# Altium PCB POETIC_Processor_V2.PcbDoc (part 4 of 4)
Units mm, origin at the board's own origin, x right, y up, seen from the top; angles counter-clockwise.
Board outline 210 x 100 mm, 4 copper layers (Top Layer, VCC, GND, Bottom Layer), stack 1.64 mm thick; 405 components, 395 nets, 1590 pads, 394 vias.
Unrouted connection lines stored in the file: 21.
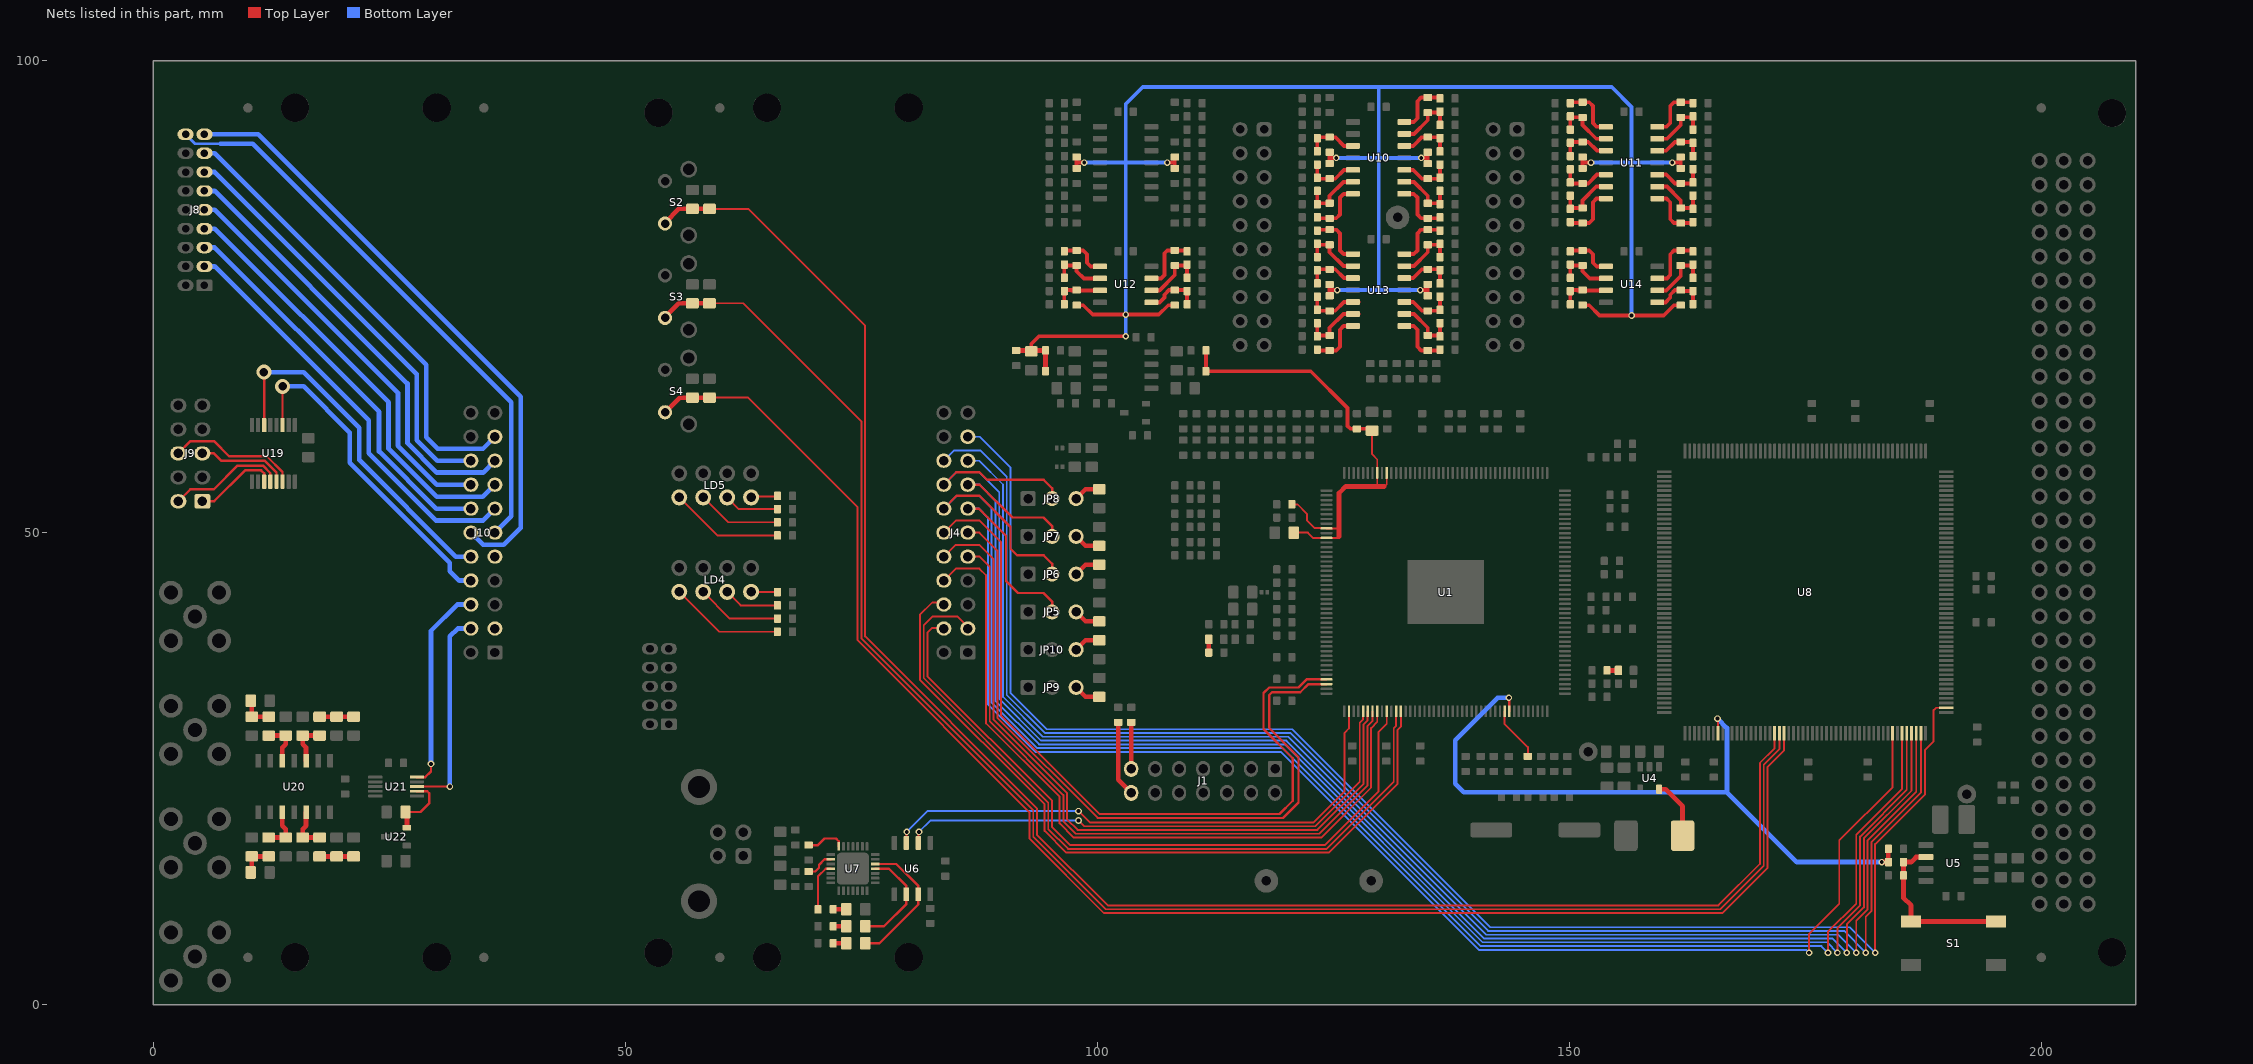
[diagram p6: the nets of this part, all layers, seen from the top]

## Via types
v1: diameter 0.7, hole 0.4, Top Layer to Bottom Layer, tented both sides, 343 vias
v2: diameter 0.7, hole 0.3, Top Layer to Bottom Layer, tented both sides, 42 vias
v3: diameter 1.6, hole 0.9, Top Layer to Bottom Layer, tented both sides, 9 vias

## Nets (pads, with @x,y where several pads share a name; then routed paths per layer and width w, separated by ;. In a path a pad name is that pad's centre, name@x,y a point inside that pad or via, vN(x,y) a via of type N, cw(c..) or ccw(c..) an arc to the next point about the centre after c; other vN are vias at no path point) (continued)
NetC101_1: C101.1 R76.1 U13.1 | length 5.9
  Top Layer w0.4: R76.1@123.3,82 123.4,82.1 C101.1@124.6,82.1 125.3,82.1 125.7,81.7 125.7,79.9 126.09,79.51 U13.1@127.075,79.51
NetC101_2: C101.2 R72.1 R74.2 U13.2 | length 6.6
  Top Layer w0.4: R74.2@123.3,79.2 R72.1@123.3,80.6 123.4,80.5 C101.2@124.6,80.5 124.6,79.7 126.06,78.24 U13.2@127.075,78.24
NetC104_2: C104.2 R77.2 R81.1 U10.3 | length 5.6
  Top Layer w0.4: C104.2@123.3,90.4 R77.2@123.3,91.8 123.4,91.9 R81.1@124.6,91.9 125.2,91.9 126.13,90.97 U10.3@127.073,90.97
NetC105_2: C105.2 R78.2 R82.1 U13.3 | length 5.6
  Top Layer w0.4: C105.2@123.3,76.4 R78.2@123.3,77.8 123.4,77.9 R82.1@124.6,77.9 125.2,77.9 126.13,76.97 U13.3@127.075,76.97
NetC106_1: C106.1 R87.1 U10.7 | length 5.9
  Top Layer w0.4: R87.1@123.3,83.4 123.4,83.3 C106.1@124.6,83.3 125.3,83.3 125.7,83.7 125.7,85.5 126.09,85.89 U10.7@127.075,85.89
NetC106_2: C106.2 R83.1 R85.2 U10.6 | length 6.6
  Top Layer w0.4: R85.2@123.3,86.2 R83.1@123.3,84.8 123.4,84.9 C106.2@124.6,84.9 124.6,85.7 126.06,87.16 U10.6@127.073,87.16
NetC107_1: C107.1 R88.1 U13.7 | length 5.9
  Top Layer w0.4: R88.1@123.3,69.4 123.4,69.3 125.3,69.3 125.7,69.7 125.7,71.5 126.09,71.89 U13.7@127.075,71.89
NetC107_2: C107.2 R84.1 R86.2 U13.6 | length 7.2
  Top Layer w0.4: R86.2@123.3,72.2 R84.1@123.3,70.8 123.4,70.9 C107.2@124.6,70.9 124.6,71.7 126.06,73.16 U13.6@127.075,73.16 U13.6@127.675,73.16
NetC110_2: C110.2 R89.2 R93.1 U10.5 | length 5.6
  Top Layer w0.4: C110.2@123.3,89 R89.2@123.3,87.6 123.4,87.5 R93.1@124.6,87.5 125.2,87.5 126.13,88.43 U10.5@127.073,88.43
NetC111_2: C111.2 R90.2 R94.1 U13.5 | length 6.2
  Top Layer w0.4: C111.2@123.3,75 R90.2@123.3,73.6 123.4,73.5 R94.1@124.6,73.5 125.2,73.5 126.13,74.43 U13.5@127.075,74.43 U13.5@127.675,74.43
NetC114_1: C114.1 R99.1 U12.7 | length 6.4
  Top Layer w0.4: U12.7@105.725,76.935 106.735,76.935 107.1,77.3 107.1,79.6 107.4,79.9 C114.1@108.2,79.9 109.4,79.9 R99.1@109.5,79.8
NetC114_2: C114.2 R95.1 R97.2 U12.6 | length 6.9
  Top Layer w0.4: U12.6@105.725,75.665 106.565,75.665 108.2,77.3 C114.2@108.2,78.3 109.4,78.3 R95.1@109.5,78.4 R97.2@109.5,77
NetC115_1: C115.1 R100.1 U10.14 | length 5.9
  Top Layer w0.4: U10.14@132.525,93.51 133.51,93.51 133.9,93.9 133.9,95.7 134.3,96.1 C115.1@135,96.1 136.2,96.1 R100.1@136.3,96
NetC115_2: C115.2 R96.1 R98.2 U10.13 | length 6.6
  Top Layer w0.4: U10.13@132.525,92.24 133.54,92.24 135,93.7 C115.2@135,94.5 136.2,94.5 R96.1@136.3,94.6 R98.2@136.3,93.2
NetC118_2: C118.2 R101.2 R105.1 U12.5 | length 5.9
  Top Layer w0.4: U12.5@105.725,74.395 106.595,74.395 107.1,74.9 107.1,75.2 107.6,75.7 R105.1@108.2,75.7 109.4,75.7 R101.2@109.5,75.6 C118.2@109.5,74.2
NetC119_2: C119.2 R102.2 R106.1 U10.12 | length 5.6
  Top Layer w0.4: U10.12@132.525,90.97 133.47,90.97 134.4,91.9 R106.1@135,91.9 136.2,91.9 R102.2@136.3,91.8 C119.2@136.3,90.4
NetC120_1: C120.1 R111.1 U12.1 | length 5
  Top Layer w0.4: R111.1@96.5,79.8 96.6,79.9 C120.1@97.8,79.9 98.5,79.9 98.9,79.5 98.9,78.6 99.295,78.205 U12.1@100.275,78.205
NetC120_2: C120.2 R107.1 R109.2 U12.2 | length 6.1
  Top Layer w0.4: R109.2@96.5,77 R107.1@96.5,78.4 96.6,78.3 C120.2@97.8,78.3 97.8,77.7 98.565,76.935 U12.2@100.275,76.935
NetC121_1: C121.1 R112.1 U10.8 | length 5.9
  Top Layer w0.4: U10.8@132.525,85.89 133.51,85.89 133.9,85.5 133.9,83.7 134.3,83.3 C121.1@135,83.3 136.2,83.3 R112.1@136.3,83.4
NetC121_2: C121.2 R108.1 R110.2 U10.9 | length 6.6
  Top Layer w0.4: U10.9@132.525,87.16 133.54,87.16 135,85.7 C121.2@135,84.9 136.2,84.9 R108.1@136.3,84.8 R110.2@136.3,86.2
NetC124_2: C124.2 R113.2 R117.1 U12.3 | length 5.8
  Top Layer w0.4: C124.2@96.5,74.2 R113.2@96.5,75.6 96.6,75.7 R117.1@97.8,75.7 R117.1@97.835,75.665 ; 97.235,75.665 R117.1@97.835,75.665 ; U12.3@100.275,75.665 R117.1@97.835,75.665
NetC125_2: C125.2 R114.2 R118.1 U10.10 | length 5.6
  Top Layer w0.4: U10.10@132.525,88.43 133.47,88.43 134.4,87.5 R118.1@135,87.5 136.2,87.5 R114.2@136.3,87.6 C125.2@136.3,89
NetC126_1: C126.1 R123.1 U11.14 | length 5.9
  Top Layer w0.4: U11.14@159.325,93.01 160.31,93.01 160.7,93.4 160.7,95.2 161.1,95.6 C126.1@161.8,95.6 163,95.6 R123.1@163.1,95.5
NetC126_2: C126.2 R119.1 R121.2 U11.13 | length 7.2
  Top Layer w0.4: U11.13@159.325,91.74 160.34,91.74 161.8,93.2 C126.2@161.8,94 ; 161.8,93.4 C126.2@161.8,94 ; R121.2@163.1,92.7 R119.1@163.1,94.1 163,94 C126.2@161.8,94
NetC127_1: C127.1 R124.1 U11.7 | length 5.8
  Top Layer w0.4: R124.1@150.1,82.9 150.2,82.8 C127.1@151.4,82.8 ; C127.1@151.5,82.8 152.1,82.8 152.5,83.2 152.5,85 152.89,85.39 U11.7@153.875,85.39
NetC127_2: C127.2 R120.1 R122.2 U11.6 | length 6.6
  Top Layer w0.4: R122.2@150.1,85.7 R120.1@150.1,84.3 150.2,84.4 C127.2@151.4,84.4 151.4,85.2 152.86,86.66 U11.6@153.875,86.66
NetC130_2: C130.2 R125.2 R129.1 U11.12 | length 5.6
  Top Layer w0.4: U11.12@159.325,90.47 160.27,90.47 161.2,91.4 R129.1@161.8,91.4 163,91.4 R125.2@163.1,91.3 C130.2@163.1,89.9
NetC131_2: C131.2 R126.2 R130.1 U11.5 | length 5.6
  Top Layer w0.4: C131.2@150.1,88.5 R126.2@150.1,87.1 150.2,87 R130.1@151.4,87 152,87 152.93,87.93 U11.5@153.875,87.93
NetC132_1: C132.1 R135.1 U11.1 | length 5.9
  Top Layer w0.4: R135.1@150.1,95.5 150.2,95.6 C132.1@151.4,95.6 152.1,95.6 152.5,95.2 152.5,93.4 152.89,93.01 U11.1@153.875,93.01
NetC132_2: C132.2 R131.1 R133.2 U11.2 | length 6.6
  Top Layer w0.4: R133.2@150.1,92.7 R131.1@150.1,94.1 150.2,94 C132.2@151.4,94 151.4,93.2 152.86,91.74 U11.2@153.875,91.74
NetC133_1: C133.1 R136.1 U11.8 | length 5.9
  Top Layer w0.4: U11.8@159.325,85.39 160.31,85.39 160.7,85 160.7,83.2 161.1,82.8 C133.1@161.8,82.8 163,82.8 R136.1@163.1,82.9
NetC133_2: C133.2 R132.1 R134.2 U11.9 | length 7.2
  Top Layer w0.4: U11.9@159.325,86.66 160.34,86.66 161.8,85.2 C133.2@161.8,84.4 ; 161.8,85 C133.2@161.8,84.4 ; R134.2@163.1,85.7 R132.1@163.1,84.3 163,84.4 C133.2@161.8,84.4
NetC136_2: C136.2 R137.2 R141.1 U11.3 | length 5.6
  Top Layer w0.4: C136.2@150.1,89.9 R137.2@150.1,91.3 150.2,91.4 R141.1@151.4,91.4 152,91.4 152.93,90.47 U11.3@153.875,90.47
NetC137_2: C137.2 R138.2 R142.1 U11.10 | length 5.6
  Top Layer w0.4: U11.10@159.325,87.93 160.27,87.93 161.2,87 R142.1@161.8,87 163,87 R138.2@163.1,87.1 C137.2@163.1,88.5
NetC140_1: C140.1 R145.1 U13.14 | length 5.9
  Top Layer w0.4: U13.14@132.525,79.51 133.51,79.51 133.9,79.9 133.9,81.7 134.3,82.1 136.2,82.1 R145.1@136.3,82
NetC140_2: C140.2 R143.1 R144.2 U13.13 | length 6.6
  Top Layer w0.4: U13.13@132.525,78.24 133.54,78.24 135,79.7 C140.2@135,80.5 136.2,80.5 R143.1@136.3,80.6 R144.2@136.3,79.2
NetC142_2: C142.2 R146.2 R148.1 U13.12 | length 5.6
  Top Layer w0.4: U13.12@132.525,76.97 133.47,76.97 134.4,77.9 R148.1@135,77.9 136.2,77.9 R146.2@136.3,77.8 C142.2@136.3,76.4
NetC143_1: C143.1 R151.1 U13.8 | length 5.9
  Top Layer w0.4: U13.8@132.525,71.89 133.51,71.89 133.9,71.5 133.9,69.7 134.3,69.3 136.2,69.3 R151.1@136.3,69.4
NetC143_2: C143.2 R149.1 R150.2 U13.9 | length 6.6
  Top Layer w0.4: U13.9@132.525,73.16 133.54,73.16 135,71.7 C143.2@135,70.9 136.2,70.9 R149.1@136.3,70.8 R150.2@136.3,72.2
NetC145_2: C145.2 R152.2 R154.1 U13.10 | length 5.6
  Top Layer w0.4: U13.10@132.525,74.43 133.47,74.43 134.4,73.5 R154.1@135,73.5 136.2,73.5 R152.2@136.3,73.6 C145.2@136.3,75
NetC146_1: C146.1 R157.1 U14.1 | length 5
  Top Layer w0.4: R157.1@150.1,79.8 150.2,79.9 C146.1@151.4,79.9 152.1,79.9 152.5,79.5 152.5,78.6 152.895,78.205 U14.1@153.875,78.205
NetC146_2: C146.2 R155.1 R156.2 U14.2 | length 6.1
  Top Layer w0.4: R156.2@150.1,77 R155.1@150.1,78.4 150.2,78.3 C146.2@151.4,78.3 151.4,77.7 152.165,76.935 U14.2@153.875,76.935
NetC148_2: C148.2 R158.2 R160.1 U14.3 | length 5.8
  Top Layer w0.4: C148.2@150.1,74.2 R158.2@150.1,75.6 150.2,75.7 R160.1@151.4,75.7 R160.1@151.435,75.665 ; 150.835,75.665 R160.1@151.435,75.665 ; U14.3@153.875,75.665 R160.1@151.435,75.665
NetC149_1: C149.1 R163.1 U14.7 | length 6.3
  Top Layer w0.4: U14.7@159.325,76.935 160.335,76.935 160.7,77.3 160.7,79.5 161.1,79.9 C149.1@161.8,79.9 163,79.9 R163.1@163.1,79.8
NetC149_2: C149.2 R161.1 R162.2 U14.6 | length 7
  Top Layer w0.4: U14.6@159.325,75.665 160.265,75.665 161.8,77.2 C149.2@161.8,78.3 163,78.3 R161.1@163.1,78.4 R162.2@163.1,77
NetC151_2: C151.2 R164.2 R166.1 U14.5 | length 5.9
  Top Layer w0.4: U14.5@159.325,74.395 160.195,74.395 160.7,74.9 160.7,75.2 161.2,75.7 R166.1@161.8,75.7 161.9,75.6 R164.2@163.1,75.6 C151.2@163.1,74.2
NetC154_1: C154.1 R167.2 R168.1 | length 3.6
  Top Layer w0.5: R168.1@17.6,30.5 C154.1@19.4,30.5 R167.2@21.2,30.5
NetC155_2: C155.2 R168.2 U20.3 | length 4.6
  Top Layer w0.5: U20.3@16.169,25.825 16.169,27.231 15.8,27.6 C155.2@15.8,28.5 R168.2@17.6,28.5
NetC156_1: C156.1 R169.2 R170.1 | length 3.4
  Top Layer w0.5: R169.2@10.4,32.1 C156.1@10.4,30.5 R170.1@12.2,30.5
NetC157_2: C157.2 R170.2 U20.5 | length 4.6
  Top Layer w0.5: R170.2@12.2,28.5 C157.2@14,28.5 14,27.6 13.629,27.229 U20.5@13.629,25.825
NetC159_2: C159.2 U21.7 U22.2 | length 7.1
  Top Layer w0.25: C159.2@26.7,20.4 28.3,20.4 29.2,21.3 29.2,22.4 29,22.6 U21.7@27.9,22.6
  Top Layer w0.5: C159.2@26.7,20.4 26.85,20.25 U22.2@26.85,18.75
NetC160_1: C160.1 R171.2 R172.1 | length 3.4
  Top Layer w0.5: R171.2@10.4,14.1 C160.1@10.4,15.7 R172.1@12.2,15.7
NetC162_2: C162.2 R172.2 U20.10 | length 4.6
  Top Layer w0.5: R172.2@12.2,17.7 C162.2@14,17.7 14,18.6 13.629,18.971 U20.10@13.629,20.375
NetC163_1: C163.1 R173.2 R174.1 | length 3.6
  Top Layer w0.5: R174.1@17.6,15.7 C163.1@19.4,15.7 R173.2@21.2,15.7
NetC164_2: C164.2 R174.2 U20.12 | length 4.6
  Top Layer w0.5: U20.12@16.169,20.375 16.169,18.969 15.8,18.6 C164.2@15.8,17.7 R174.2@17.6,17.7
NetJ1_13: J1.13 R9.1 | length 4.9
  Top Layer w0.5: J1.13@103.58,24.97 103.58,29.88 R9.1@103.6,29.9
NetJ1_14: J1.14 R10.1 | length 8
  Top Layer w0.5: R10.1@102.2,29.9 102.2,23.81 J1.14@103.58,22.43
NetJP1_1: JP1.1 R2.1 | length 1.4
  Top Layer w0.5: R2.1@111.8,37.3 JP1.1@111.8,38.7
NetJP2_1: JP2.1 R1.1 | length 1.2
  Top Layer w0.5: R1.1@154,35.4 JP2.1@155.2,35.4
NetJP5_3: JP5.3 R33.1 | length 2.9
  Top Layer w0.5: JP5.3@97.74,41.6 98.74,40.6 R33.1@100.2,40.6
NetJP6_3: JP6.3 R34.1 | length 2.9
  Top Layer w0.5: JP6.3@97.74,45.6 98.74,46.6 R34.1@100.2,46.6
NetJP7_3: JP7.3 R35.1 | length 2.9
  Top Layer w0.5: JP7.3@97.74,49.6 98.74,48.6 R35.1@100.2,48.6
NetJP8_3: JP8.3 R36.1 | length 2.9
  Top Layer w0.5: JP8.3@97.74,53.6 98.74,54.6 R36.1@100.199,54.6
NetJP9_3: JP9.3 R37.2 | length 2.9
  Top Layer w0.5: JP9.3@97.74,33.6 98.74,32.6 R37.2@100.2,32.6
NetJP10_3: JP10.3 R38.2 | length 2.9
  Top Layer w0.5: JP10.3@97.74,37.6 98.74,38.6 R38.2@100.2,38.6
NetL1_1: L1.1 U4.5 | length 6.3
  Top Layer w0.5: U4.5@159.5,22.8 160.2,22.8 162,21 L1.1@162,17.9
NetLD1_2: LD1.2 R25.1 | length 1.4
  Top Layer w0.5: R25.1@72,6.5 LD1.2@73.4,6.5
NetLD2_2: LD2.2 R26.1 | length 1.4
  Top Layer w0.5: R26.1@72,8.3 LD2.2@73.4,8.3
NetLD3_2: LD3.2 R29.1 | length 1.4
  Top Layer w0.5: R29.1@72,10.1 LD3.2@73.4,10.1
NetLD4_1: LD4.1 R45.2 | length 12.2
  Top Layer w0.2: LD4.1@55.7,43.73 59.93,39.5 R45.2@66.1,39.5
NetLD4_3: LD4.3 R43.2 | length 9
  Top Layer w0.2: LD4.3@58.24,43.73 61.07,40.9 R43.2@66.1,40.9
NetLD4_5: LD4.5 R41.2 | length 5.9
  Top Layer w0.2: LD4.5@60.78,43.73 62.21,42.3 R41.2@66.1,42.3
NetLD4_7: LD4.7 R39.2 | length 2.8
  Top Layer w0.2: LD4.7@63.32,43.731 66.069,43.731 R39.2@66.1,43.7
NetLD5_1: LD5.1 R46.2 | length 12.1
  Top Layer w0.2: LD5.1@55.7,53.73 59.73,49.7 R46.2@66.1,49.7
NetLD5_3: LD5.3 R44.2 | length 8.9
  Top Layer w0.2: LD5.3@58.24,53.73 60.87,51.1 R44.2@66.1,51.1
NetLD5_5: LD5.5 R42.2 | length 5.8
  Top Layer w0.2: LD5.5@60.78,53.73 62.01,52.5 R42.2@66.1,52.5
NetLD5_7: LD5.7 R40.2 | length 2.6
  Top Layer w0.2: LD5.7@63.32,53.83 65.83,53.83 R40.2@65.9,53.9
NetR7_2: R7.2 U1.123 | length 5.8
  Top Layer w0.2: U1.123@143.15,31.075 143.15,29.723 145.6,27.273 R7.2@145.6,26.3
NetR23_1: R23.1 R24.2 S1.3 S1.4 U5.2 | length 18.2
  Top Layer w0.5: U5.2@187.779,15.635 186.735,15.635 186.2,15.1 R24.2@185.4,15.1 185.4,11.3 186.2,10.5 S1.4@186.2,8.8 S1.3@195.2,8.8
NetR27_1: R27.1 U7.9 | length 3.1
  Top Layer w0.25: R27.1@69.4,14.1 70.1,14.1 70.5,14.5 70.5,14.8 71.1,15.4 U7.9@71.75,15.4
NetR28_2: R28.2 U7.7 | length 4.2
  Top Layer w0.25: R28.2@69.4,16.9 70.4,16.9 71.1,17.6 72.3,17.6 72.6,17.3 U7.7@72.6,16.75
NetR29_2: R29.2 U7.11 | length 5.2
  Top Layer w0.25: R29.2@70.4,10.1 70.4,13.6 ; 70.4,13.588 71.212,14.4 U7.11@71.75,14.4
Push_BT_0: C69.2 R30.1 S2.2 U8.72 | length 184.4
  Top Layer w0.2: R30.1@58.9,84.3 63,84.3 75.4,71.9 75.4,39 93.6,20.8 93.6,18 101.1,10.5 165.8,10.5 170.2,14.9 170.2,25.6 171.75,27.15 U8.72@171.75,28.75
  Top Layer w0.5: S2.2@54.2,82.85 55.65,84.3 C69.2@57.1,84.3 R30.1@58.9,84.3
Push_BT_1: C70.2 R31.1 S3.2 U8.73 | length 175.5
  Top Layer w0.2: R31.1@58.9,74.3 59.3,74.3 62.5,74.3 75,61.8 75,38.8 93.2,20.6 93.2,17.8 100.9,10.1 166,10.1 170.6,14.7 170.6,25.4 172.25,27.05 U8.73@172.25,28.75
  Top Layer w0.5: S3.2@54.1,72.75 55.65,74.3 C70.2@57.1,74.3 R31.1@58.9,74.3
Push_BT_2: C71.2 R32.1 S4.2 U8.74 | length 166.9
  Top Layer w0.2: R32.1@58.9,64.3 63,64.3 74.6,52.7 74.6,38.6 92.8,20.4 92.8,17.6 100.7,9.7 166.2,9.7 171,14.5 171,25.2 172.75,26.95 U8.74@172.75,28.75
  Top Layer w0.5: S4.2@54.2,62.75 55.75,64.3 C71.2@57.1,64.3 R32.1@58.9,64.3
PWR_ON_RST: C62.2 R24.1 U1.124 U8.60 | length 74.1
  Top Layer w0.25: v1(143.6,32.5) 143.65,32.45 U1.124@143.65,31.075 ; v1(165.7,30.3) 165.75,30.25 U8.60@165.75,28.75
  Top Layer w0.5: v1(183.1,15.1) R24.1@183.8,15.1 C62.2@183.8,16.5
  Bottom Layer w0.5: v1(143.6,32.5) 142.4,32.5 137.9,28 137.9,23.4 138.8,22.5 166.7,22.5 ; v1(165.7,30.3) 166.7,29.3 166.7,22.5 ; v1(183.1,15.1) 174.1,15.1 174.05,15.15 166.7,22.5
REF_1V5: C53.2 R19.1 R20.1 R22.1 R57.2 R58.2 R69.2 R70.2 R81.2 R82.2 R93.2 R94.2 R105.2 R106.2 R117.2 R118.2 R129.2 R130.2 R141.2 R142.2 R148.2 R154.2 R160.2 R166.2 | length 213.4
  Top Layer w0.4: C53.2@93,69.3 93,70 93.8,70.8 v1(103,70.8) ; R117.2@97.8,74.1 98.5,74.1 99.5,73.1 v1(103,73.1) 106.5,73.1 107.5,74.1 R105.2@108.2,74.1 ; R70.2@97.8,88.6 97.8,89.2 ; R57.2@97.8,89.8 97.8,89.2 ; v1(98.6,89.2) 97.8,89.2 ; v1(107.4,89.2) 108.2,89.2 ; R58.2@108.2,88.6 108.2,89.2 ; R69.2@108.2,89.8 108.2,89.2 ; R94.2@124.6,75.1 124.6,75.7 ; R82.2@124.6,76.3 124.6,75.7 ; R93.2@124.6,89.1 124.6,89.7 ; R81.2@124.6,90.3 124.6,89.7 ; v1(125.3,89.7) 124.6,89.7 ; v1(125.4,75.7) 124.6,75.7 ; v1(134.2,75.7) 135,75.7 ; v1(134.3,89.7) 135,89.7 ; R154.2@135,75.1 135,75.7 ; R148.2@135,76.3 135,75.7 ; R118.2@135,89.1 135,89.7 ; R106.2@135,90.3 135,89.7 ; R160.2@151.4,74.1 152.1,74.1 153.2,73 v1(156.6,73) 160,73 161.1,74.1 R166.2@161.8,74.1 ; R130.2@151.4,88.6 151.4,89.2 ; R141.2@151.4,89.8 151.4,89.2 ; v1(152.3,89.2) 151.4,89.2 ; v1(160.9,89.2) 161.8,89.2 ; R142.2@161.8,88.6 161.8,89.2 ; R129.2@161.8,89.8 161.8,89.2
  Top Layer w0.5: R20.1@91.4,69.3 93,69.3 R19.1@94.5,69.3 R22.1@94.5,67.1
  Bottom Layer w0.4: v1(98.6,89.2) 103,89.2 ; v1(103,70.8) v1(103,73.1) 103,89.2 ; v1(107.4,89.2) 103,89.2 ; v1(125.3,89.7) 129.8,89.7 ; v1(125.4,75.7) 129.8,75.7 ; 129.8,89.6 129.8,75.7 ; v1(134.2,75.7) 129.8,75.7 ; v1(134.3,89.7) 129.8,89.7 ; v1(152.3,89.2) 156.6,89.2 ; v1(156.6,73) 156.6,89.2 ; v1(160.9,89.2) 156.6,89.2 ; 103,89.2 103,95.4 104.8,97.2 129.8,97.2 ; 129.8,89.7 129.8,97.2 ; 129.8,97.2 154.5,97.2 156.6,95.1 156.6,89.2
SCIA_RX: U1.93 U6.2 | length 58.2
  Top Layer w0.2: U6.2@81.035,17.125 81.035,18.235 v1(81.1,18.3) ; v1(98,19.5) 98.6,18.9 123.1,18.9 127.8,23.6 127.8,29.866 128.15,30.216 U1.93@128.15,31.075
  Bottom Layer w0.2: v1(81.1,18.3) 82.3,19.5 v1(98,19.5)
SCIA_TX: U1.90 U6.3 | length 59
  Top Layer w0.2: U6.3@79.765,17.125 79.765,18.265 v1(79.8,18.3) ; v1(98,20.5) 99.2,19.3 122.9,19.3 126.2,22.6 126.2,28.8 126.65,29.25 U1.90@126.65,31.075
  Bottom Layer w0.2: v1(79.8,18.3) 82,20.5 v1(98,20.5)
SCIC_RX: J4.11 J8.18 J10.11 U1.86 | length 138.6
  Top Layer w0.2: J4.11@86.27,50 87.5,50 89.4,48.1 89.4,30.4 100.025,19.775 119.675,19.775
  Top Layer w0.25: 119.675,19.775 121.3,21.4 121.3,26.2 118.2,29.3 118.2,32.8 118.5,33.1 121.5,33.1 122.35,33.95 U1.86@124.275,33.95
  Bottom Layer w0.3: J8.18@3.4,92.2 4.4,91.2 7.1,91.2
  Bottom Layer w0.5: 7.1,91.2 10.5,91.2 37.9,63.8 37.9,51.73 J10.11@36.17,50
SCIC_TX: J4.12 J8.17 J10.12 U1.85 | length 147.2
  Top Layer w0.2: J4.12@83.73,50 85.03,51.3 87.5,51.3 89.8,49 89.8,30.6 100.2,20.2 119.3,20.2
  Top Layer w0.25: 119.3,20.2 120.7,21.6 120.7,26.1 117.6,29.2 117.6,33 118.2,33.6 121.3,33.6 122.15,34.45 U1.85@124.275,34.45
  Bottom Layer w0.5: J8.17@5.4,92.2 11.1,92.2 38.9,64.4 38.9,50.5 37.11,48.71 34.92,48.71 J10.12@33.63,50
Spare_0: J4.13 J8.3 J10.13 JP5.2 U8.97 | length 208.5
  Top Layer w0.2: v1(175.4,5.5) 175.4,7.5 178.6,10.7 178.6,17.4 184.25,23.05 U8.97@184.25,28.75
  Top Layer w0.25: J4.13@86.27,52.54 87.46,52.54 90.325,49.675 90.325,44.875 91.6,43.6 94.3,43.6 95.2,42.7 JP5.2@95.2,41.6
  Bottom Layer w0.2: J4.13@86.27,52.54 87.46,52.54 88.4,51.6 88.4,31.8 93.425,26.775 119.425,26.775 140.4,5.8 175.1,5.8 v1(175.4,5.5)
  Bottom Layer w0.5: J8.3@5.4,78.2 6.5,78.2 22.8,61.9 22.8,58.4 29.91,51.29 34.92,51.29 J10.13@36.17,52.54
Spare_1: J4.14 J8.5 J10.14 JP6.2 U8.99 | length 212.5
  Top Layer w0.2: v1(177.4,5.5) 177.4,7.7 180.4,10.7 180.4,18 185.25,22.85 U8.99@185.25,28.75
  Top Layer w0.25: J4.14@83.73,52.54 85.09,53.9 87.5,53.9 90.8,50.6 90.8,48.3 91.5,47.6 94.3,47.6 95.2,46.7 JP6.2@95.2,45.6
  Bottom Layer w0.2: J4.14@83.73,52.54 85.09,53.9 87.5,53.9 88.8,52.6 88.8,32 93.625,27.175 119.625,27.175 140.6,6.2 176.7,6.2 v1(177.4,5.5)
  Bottom Layer w0.5: J8.5@5.4,80.2 6.5,80.2 23.9,62.8 23.9,58.6 29.96,52.54 J10.14@33.63,52.54
Spare_2: J4.15 J8.7 J10.15 JP7.2 U8.100 | length 209.2
  Top Layer w0.2: v1(178.4,5.5) 178.4,8.1 180.8,10.5 180.8,17.8 185.75,22.75 U8.100@185.75,28.75
  Top Layer w0.25: J4.15@86.27,55.08 87.52,55.08 91,51.6 94.3,51.6 95.2,50.7 JP7.2@95.2,49.6
  Bottom Layer w0.2: J4.15@86.27,55.08 87.52,55.08 89.2,53.4 89.2,32.2 93.825,27.575 119.825,27.575 140.8,6.6 177.3,6.6 v1(178.4,5.5)
  Bottom Layer w0.5: J8.7@5.4,82.2 6.5,82.2 24.9,63.8 24.9,58.9 30,53.8 34.89,53.8 J10.15@36.17,55.08
Spare_3: J4.16 J8.9 J10.16 JP8.2 U8.101 | length 213.6
  Top Layer w0.2: v1(179.4,5.5) 179.4,8.5 181.2,10.3 181.2,17.6 186.25,22.65 U8.101@186.25,28.75
  Top Layer w0.25: J4.16@83.73,55.08 85.05,56.4 87.5,56.4 88.3,55.6 94.3,55.6 95.2,54.7 JP8.2@95.2,53.6
  Bottom Layer w0.2: J4.16@83.73,55.08 85.05,56.4 87.5,56.4 89.6,54.3 89.6,32.4 94.025,27.975 120.025,27.975 141,7 177.9,7 v1(179.4,5.5)
  Bottom Layer w0.5: J8.9@5.4,84.2 6.5,84.2 25.9,64.8 25.9,59.2 30.02,55.08 J10.16@33.63,55.08
Spare_4: J4.17 J8.11 J10.17 U8.102 | length 202.1
  Top Layer w0.2: v1(180.4,5.5) 180.4,8.9 181.6,10.1 181.6,17.4 186.75,22.55 U8.102@186.75,28.75
  Bottom Layer w0.2: J4.17@86.27,57.62 87.48,57.62 90,55.1 90,32.6 94.225,28.375 120.225,28.375 141.2,7.4 178.5,7.4 v1(180.4,5.5)
  Bottom Layer w0.5: J8.11@5.4,86.2 6.5,86.2 26.9,65.8 26.9,59.5 30.03,56.37 34.92,56.37 J10.17@36.17,57.62
Spare_5: J4.18 J8.13 J10.18 U8.103 | length 204.4
  Top Layer w0.2: v1(181.4,5.5) 181.4,9.3 182,9.9 182,17.2 187.25,22.45 U8.103@187.25,28.75
  Bottom Layer w0.2: J4.18@83.73,57.62 84.83,58.72 87.58,58.72 90.4,55.9 90.4,32.8 94.425,28.775 120.425,28.775 141.4,7.8 179.1,7.8 v1(181.4,5.5)
  Bottom Layer w0.5: J8.13@5.4,88.2 6.5,88.2 27.9,66.8 27.9,59.8 30.08,57.62 J10.18@33.63,57.62
Spare_6: J4.19 J8.15 J10.19 U8.106 | length 211.3
  Top Layer w0.2: v1(182.4,5.5) 182.4,17 187.7,22.3 187.7,27 188.6,27.9 188.6,31.2 188.85,31.45 U8.106@189.95,31.45
  Bottom Layer w0.2: J4.19@86.27,60.16 87.54,60.16 90.8,56.9 90.8,33 94.625,29.175 120.625,29.175 141.6,8.2 179.7,8.2 v1(182.4,5.5)
  Bottom Layer w0.5: J8.15@5.4,90.2 6.5,90.2 28.9,67.8 28.9,60.1 30.1,58.9 34.91,58.9 J10.19@36.17,60.16
SPIA_CLK: J4.6 J10.6 U1.101 U21.10 | length 102.8
  Top Layer w0.2: J4.6@83.73,42.38 83.51,42.6 82.5,42.6 81.2,41.3 81.2,34.4 94.4,21.2 94.4,18.4 96.7,16.1 124.5,16.1 131.8,23.4 131.8,29.1 132.15,29.45 U1.101@132.15,31.075
  Top Layer w0.25: U21.10@27.9,24.1 28.8,24.1 29.4,24.7 v1(29.4,25.5)
  Bottom Layer w0.5: v1(29.4,25.5) 29.4,39.6 32.18,42.38 J10.6@33.63,42.38
SPIA_SIMO: J4.4 J10.4 U1.98 U21.8 | length 96.6
  Top Layer w0.2: J4.4@83.73,39.84 83.67,39.9 82.5,39.9 82,39.4 82,34.8 95.2,21.6 95.2,18.8 97.1,16.9 124.1,16.9 129.8,22.6 129.8,28.9 130.65,29.75 U1.98@130.65,31.075
  Top Layer w0.25: U21.8@27.9,23.1 v1(31.4,23.1)
  Bottom Layer w0.5: v1(31.4,23.1) 31.4,39 32.24,39.84 J10.4@33.63,39.84
SPIA_SOMI: J4.3 J10.3 U1.100 | length 80.7
  Top Layer w0.2: J4.3@86.27,39.84 86.27,40.03 85.2,41.1 82.5,41.1 81.6,40.2 81.6,34.6 94.8,21.4 94.8,18.6 96.9,16.5 124.3,16.5 131.4,23.6 131.4,29.3 131.65,29.55 U1.100@131.65,31.075
SPIC_CLK: J4.8 J10.8 U1.96 U19.3 | length 114
  Top Layer w0.2: J4.8@83.73,44.92 85.01,46.2 87.5,46.2 88.2,45.5 88.2,29.8 96,22 96,19.2 97.5,17.7 123.7,17.7 129,23 129,29.3 129.65,29.95 U1.96@129.65,31.075
  Top Layer w0.25: U19.3@13.675,61.4 v3(13.675,65.5)
  Bottom Layer w0.5: v3(13.675,65.5) 15.9,65.5 20.8,60.6 20.8,57.4 31.4,46.8 31.4,45.9 32.38,44.92 J10.8@33.63,44.92
SPIC_CLK_+: J9.6 U19.14 | length 14
  Top Layer w0.25: J9.6@2.63,58.4 3.93,59.7 6.4,59.7 8,58.1 12,58.1 13.675,56.425 U19.14@13.675,55.4
SPIC_CLK_-: J9.5 U19.13 | length 9.7
  Top Layer w0.25: J9.5@5.17,58.4 6.4,58.4 7.2,57.6 11.8,57.6 13.025,56.375 U19.13@13.025,55.4
SPIC_SIMO: J4.10 J10.10 U1.94 U19.6 | length 116.6
  Top Layer w0.2: J4.10@83.73,47.46 84.97,48.7 87.5,48.7 89,47.2 89,30.2 96.8,22.4 96.8,19.6 97.9,18.5 123.3,18.5 128.2,23.4 128.2,29.7 128.625,30.125 128.625,31.05 U1.94@128.65,31.075
  Top Layer w0.25: v3(11.7,67) 11.725,66.975 U19.6@11.725,61.4
  Bottom Layer w0.5: v3(11.7,67) 15.9,67 21.8,61.1 21.8,57.7 32.04,47.46 J10.10@33.63,47.46
SPIC_SIMO_+: J9.2 U19.12 | length 12.6
  Top Layer w0.25: J9.2@2.63,53.32 3.91,54.6 6.4,54.6 8.9,57.1 11.6,57.1 12.375,56.325 U19.12@12.375,55.4
SPIC_SIMO_-: J9.1 U19.11 | length 8.9
  Top Layer w0.25: J9.1@5.17,53.32 6.42,53.32 9.7,56.6 11.4,56.6 11.725,56.275 U19.11@11.725,55.4
SPIC_SOMI: J4.9 J10.9 U1.95 | length 76
  Top Layer w0.2: J4.9@86.27,47.46 87.54,47.46 88.6,46.4 88.6,30 96.4,22.2 96.4,19.4 97.7,18.1 123.5,18.1 128.6,23.2 128.6,29.5 129.15,30.05 U1.95@129.15,31.075
USB_RX: LD2.1 U6.6 U7.25 | length 12.2
  Top Layer w0.25: LD2.1@75.4,8.3 77.4,8.3 79.765,10.665 79.765,12.56 ; U7.25@76.45,14.4 77.925,14.4 79.765,12.56 ; U6.6@79.765,11.675 79.765,12.56 ; 79.765,12.575 79.765,12.56
USB_TX: LD1.1 U6.7 U7.26 | length 15.7
  Top Layer w0.25: LD1.1@75.4,6.5 76.9,6.5 81.035,10.635 81.035,12.565 ; U7.26@76.45,14.9 78.7,14.9 81.035,12.565 ; U6.7@81.035,11.675 81.035,12.565 ; 81.035,12.575 81.035,12.565
VREFHI_ALL: C44.2 C49.2 R12.1 R13.1 R14.1 R16.1 U1.35 U1.37 U1.53 U1.55 | length 52.5
  Top Layer w0.2: R16.1@120.6,53 121.2,53 122.2,52 122.2,51.3 123.025,50.475 124.25,50.475 U1.53@124.275,50.45 125.6,50.45 ; C49.2@120.8,50 122.3,50 122.875,49.425 124.25,49.425 U1.55@124.275,49.45 125.45,49.45 125.6,49.6 ; C44.2@129.1,60.8 129.1,58.3 129.65,57.75 129.65,54.9 ; 130.4,54.9 130.65,55.15 U1.35@130.65,56.325 U1.35@130.675,56.35
  Top Layer w0.4: R12.1@111.5,69.3 R14.1@111.5,67.1 122.6,67.1 126.5,63.2 126.5,61.3 126.8,61 R13.1@127.5,61 128.9,61 C44.2@129.1,60.8
  Top Layer w0.5: 125.6,49.6 125.6,50.45 125.6,54.2 126.3,54.9 129.65,54.9 130.4,54.9
pads on no net: J1.6 J5.0 J7.2 J7.4 J7.6 J7.8 J9.3 J9.4 S2.0 S3.0 S4.0 U1.73 U1.74 U1.92 U5.1 U7.1 U7.2 U7.10 U7.12 U7.13 U7.14 U7.15 U7.16 U7.17 U7.18 U7.19 U7.20 U7.21 U7.22 U7.23 U7.24 U7.27 U7.28 U19.7 U19.9 U19.10 Z1.1 Z2.1 Z3.1 Z4.1 Z5.1 Z6.1 Z7.1 Z8.1

## Polygon pours and split planes (outlines as drawn)
+3V3_USB on VCC (split plane): 209.49,0.51 40,0.51 40,99.49 209.49,99.49
+3V3_D on VCC (split plane): 208.873,1.127 50.227,1.127 50.227,98.873 208.873,98.873
+3V3_USB on VCC (split plane): 83.648,11.296 83.648,4.252 55.852,4.252 55.852,25.048 69.896,25.048
+3V3_A on VCC (split plane): 167.373,66.627 134.1,66.627 134.051,66.618 134.01,66.59 132.91,65.49 132.882,65.449 132.873,65.4 132.873,53.853 125.847,46.827 108.653,46.827 90.627,64.853 90.627,97.873 167.373,97.873
GND_USB on GND (split plane): 209.49,0.51 40,0.51 40,99.49 209.49,99.49
GND_D on GND (split plane): 208.873,1.127 50.227,1.127 50.227,98.873 208.873,98.873
GND_USB on GND (split plane): 83.648,11.291 83.648,4.252 55.852,4.252 55.852,25.048 69.891,25.048
GND_A on GND (split plane): 167.373,66.627 134.1,66.627 134.051,66.618 134.01,66.59 132.91,65.49 132.882,65.449 132.873,65.4 132.873,53.853 125.847,46.827 108.653,46.827 90.627,64.853 90.627,97.873 167.373,97.873

## Keep-outs
Keep-Out Layer:
  lines w0.203: 210.086,3 210.086,8.103 ; 210.086,91.923 210.086,97

## Other copper
VCC (plane layer: these items are gaps in the copper):
  pour cut-out: 0,100 0,0 40,0 40,100
  lines w0.25: 50.1,1 50.1,99 209,99 209,1 50.1,1 ; 90.5,64.8 90.5,98 167.5,98 167.5,66.5 134.1,66.5 133,65.4 133,53.8 125.9,46.7 108.6,46.7 90.5,64.8
  lines w0.5: 55.6,4 55.6,25.3 70,25.3 83.9,11.4 83.9,4 55.6,4
GND (plane layer: these items are gaps in the copper):
  pour cut-out: 0,100 0,0 40,0 40,100
  lines w0.25: 50.1,1 50.1,99 209,99 209,1 50.1,1 ; 90.5,64.8 108.6,46.7 125.9,46.7 133,53.8 133,65.4 134.1,66.5 167.5,66.5 167.5,98 90.5,98 90.5,64.8
  lines w0.5: 55.6,4 55.6,25.3 69.995,25.3 83.9,11.395 83.9,4 55.6,4

## Silkscreen, mask and mechanical layers (free items; w line width, h text height)
Top Overlay:
  circle w0.254: c80,95 r2.857
  circle w0.254: c65,95 r2.857
  circle w0.254: c80,5 r2.857
  circle w0.254: c65,5 r2.857
  circle w0.254: c53.5,94.5 r2.857
  circle w0.254: c53.5,5.5 r2.857
  lines w0.2: 204.7,2.8 203.9,2 56.5,2 56.5,8.5 51.6,8.5 51.6,91.5 56.5,91.5 56.5,98 204,98 204.8,97.2
  text "HES-SO VALAIS WALLIS / POETIC PROCESSOR V2.0a / 01.07.2019 ARC" at 171.5,89.8 h1
  text "Spare" at 6.7,86.8 h1 r270
  text "BT_0" at 60.4,84.6 h1
  text "HES-SO VALAIS WALLIS / POETIC PROCESSOR MEZZA / V2.0b 01.07.2019 ARC" at 12,80 h1
  text "BT_1" at 60.5,74.6 h1
  text "AD_0...10" at 112.2,64.8 h1
  text "AD_10...20" at 138.5,64.8 h1
  text "BT_2" at 60.4,64.7 h1
  text "SPIC LVDS" at 6.9,62.9 h1 r270
  text "LED2" at 65,54.5 h1
  text "Mezzanine" at 80.3,54.5 h1 r270
  text "Spare3" at 101.4,52.6 h1
  text "Spare2" at 101.4,48.6 h1
  text "DAC_OUT_A" at 0.8,44.8 h1
  text "Spare1" at 101.4,44.6 h1
  text "LED1" at 65,44.4 h1
  text "Spare0" at 101.4,40.6 h1
  text "GPIO41" at 101.4,36.9 h1
  text "JTAG CPLD" at 57.6,33 h1
  text "DAC_OUT_B" at 0.8,32.9 h1
  text "GPIO40" at 101.5,32.9 h1
  text "0    1" at 92.2,30.1 h1
  text "JTAG DSP" at 106.6,29.3 h1
  text "DAC_OUT_C" at 0.8,20.8 h1
  text "-GND_D-" at 119.9,12.2 h1
  text "DAC_OUT_D" at 0.8,8.8 h1
Mechanical 1:
  lines w0.15: 40,0 40,100 ; 50,0 50,100 ; 0,0 0,100 210,100 210,0 0,0